# Altium PCB 01156.PcbDoc (part 2 of 3)
Units mm, origin at the board's own origin, x right, y up, seen from the top; angles counter-clockwise.
Board outline 60 x 50 mm, 4 copper layers (Top Layer, Signal Layer 1, Signal Layer 2, Bottom Layer), stack 1.57 mm thick; 178 components, 105 nets, 534 pads, 248 vias.
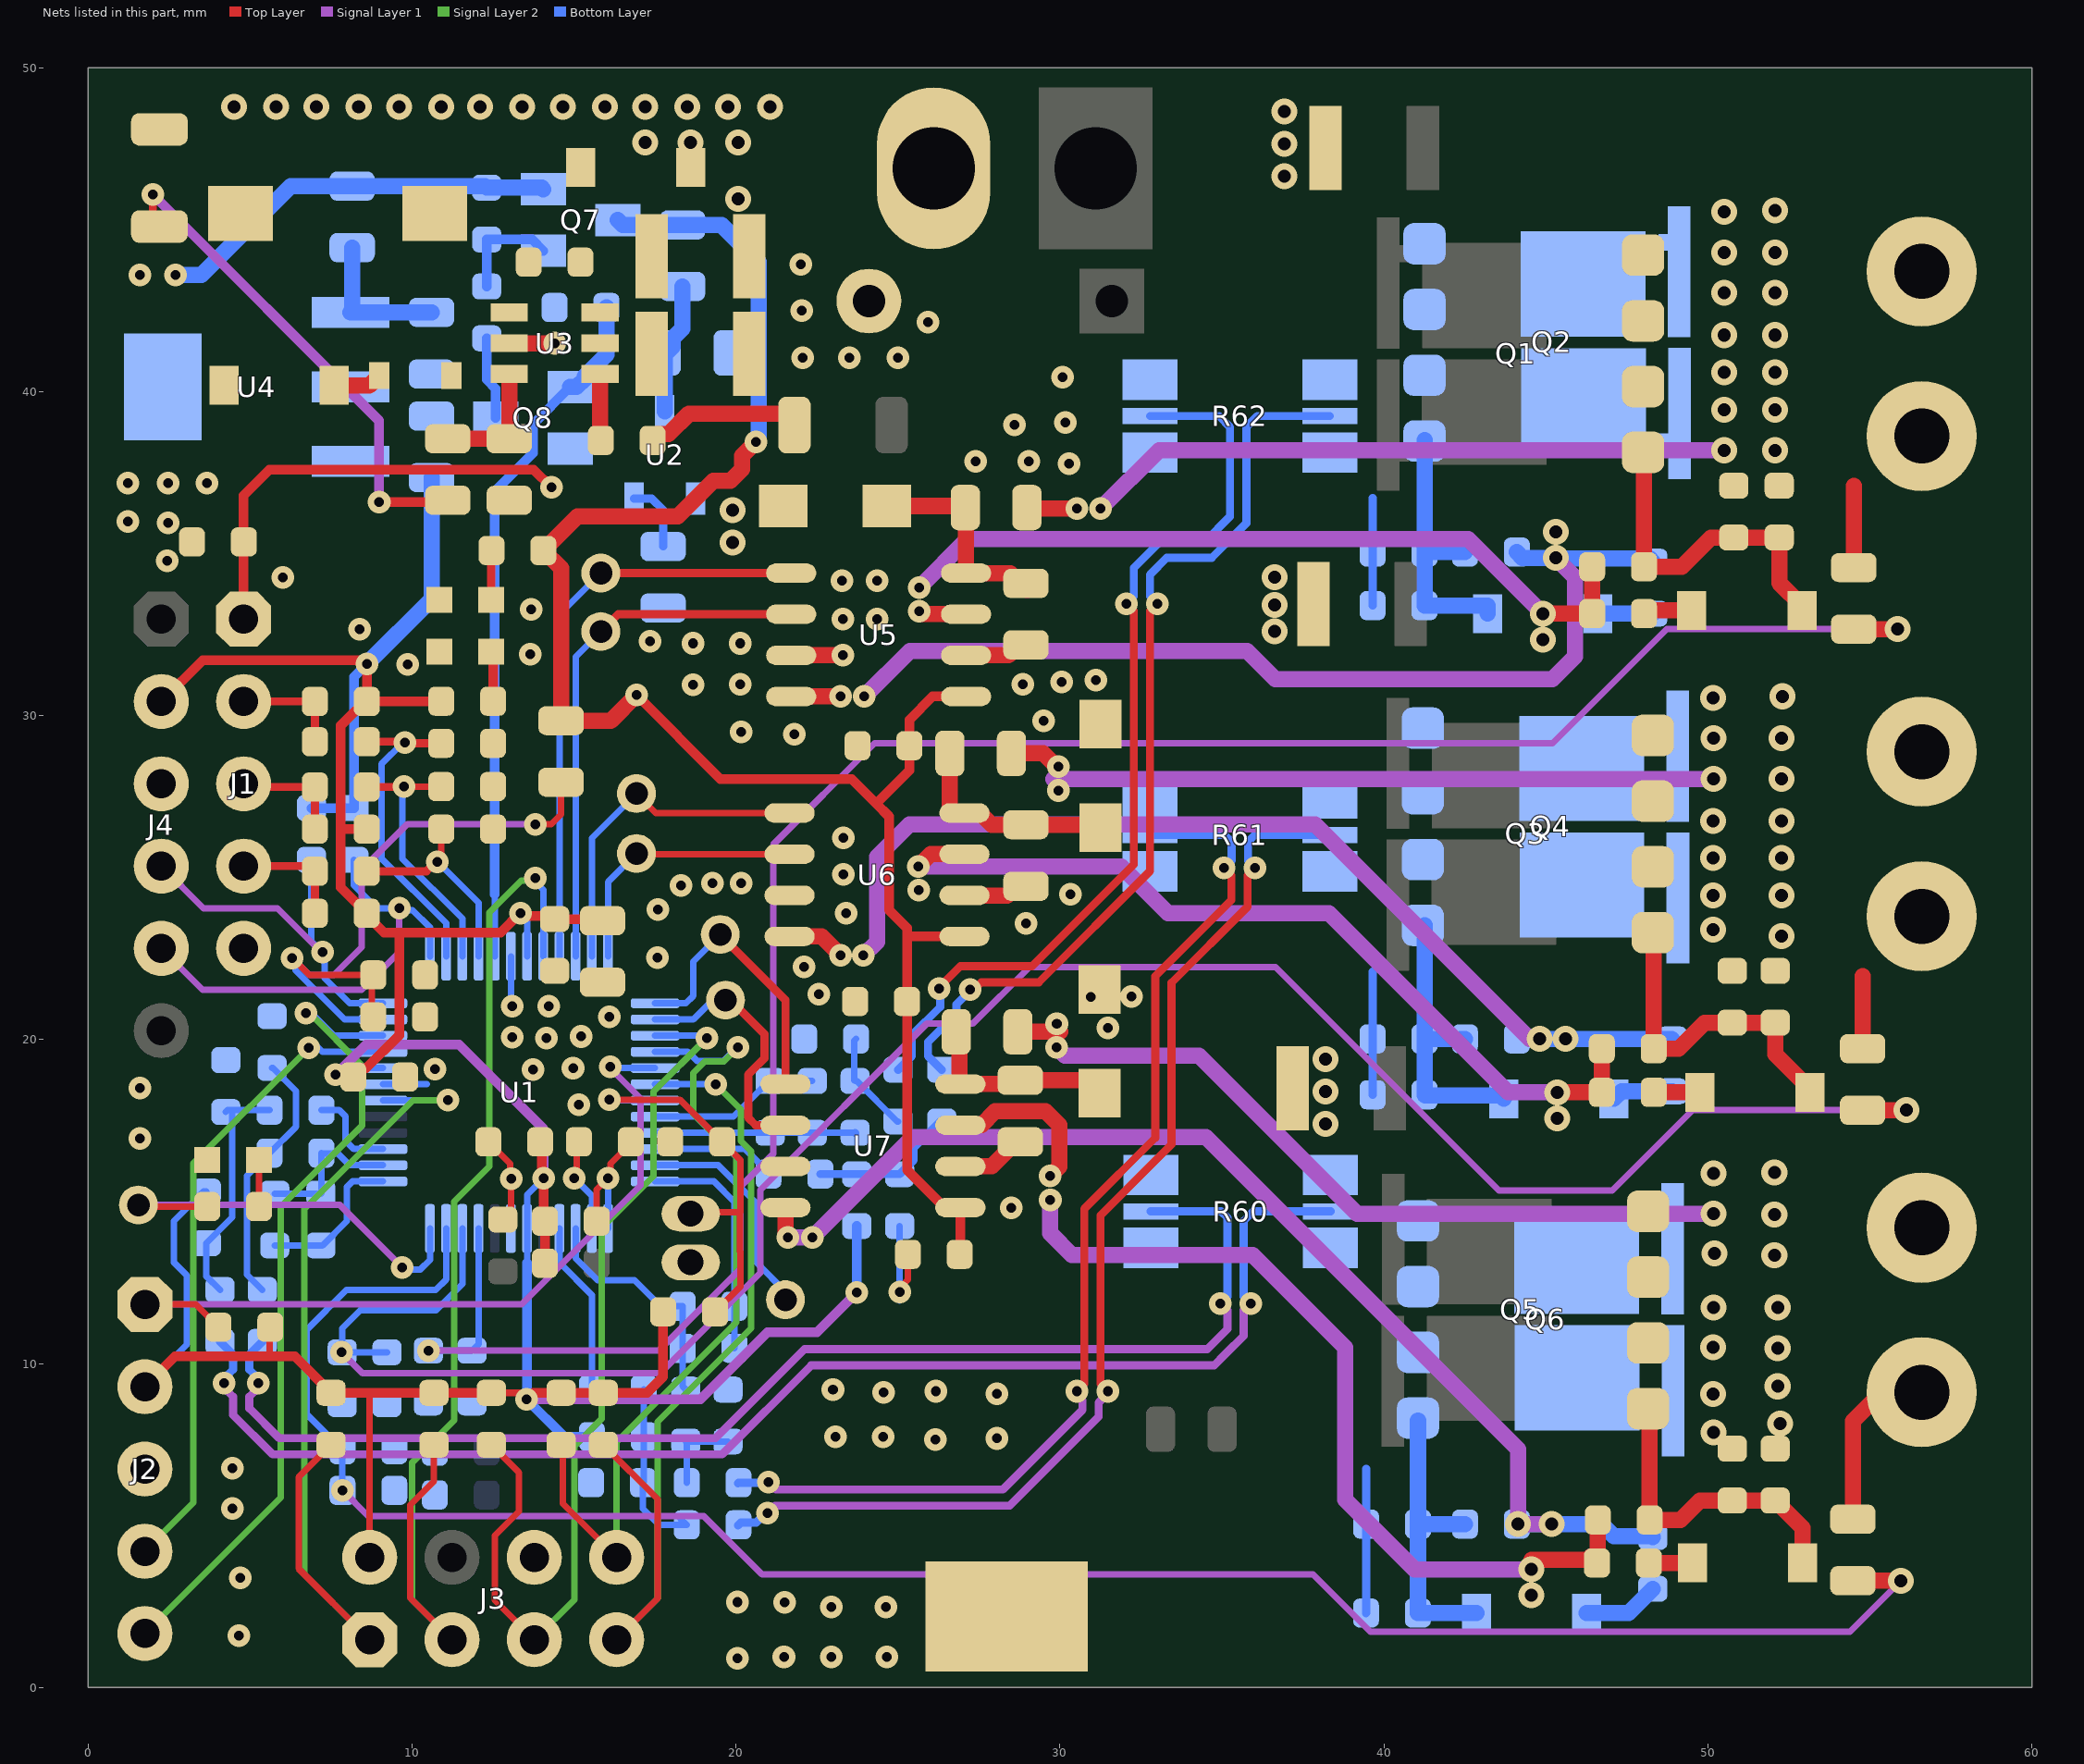
[diagram p4: the nets of this part, all layers, seen from the top]

## Part data (continued)
R29 R30 R31 R52 R57 R58: library part RSMT0713, Current=1A, Manufacturer 1=Digi-Key, Manufacturer 2=ROHM, Manufacturer 3="Stackpole Electronics Inc", Manufacturer Part Number 1=311-4.70KHRTR-ND, Manufacturer Part Number 2=MCR03EZPFX4701, Manufacturer Part Number 3=RMCF0603FT4K70, Operating Temperature="-55C to +155C", Package=0603, Power=1/10W, Temperature Coeffcient=100ppm/C, Tolerance=1%, Voltage=50V, Category=Resistor, ComponentLink1Description="SVN Datasheet", ComponentLink1URL=https://chn-vm-apps.microchip.com/mchprepo/parts/Datasheets/SEI-RMCF_RMCP.pdf, ComponentLink2Description="Local Datasheet", ComponentLink2URL=C:\ALTIUM_WORK\00001_MCHP-CDB\Datasheets\SEI-RMCF_RMCP.pdf, ComponentLink3Description="Open Symbol", ComponentLink3URL=C:\ALTIUM_WORK\00001_MCHP-CDB\Library\LibraryRefs\Resistor.SchLib, ComponentLink4Description="Open Footprint", ComponentLink4URL=C:\ALTIUM_WORK\00001_MCHP-CDB\Library\Footprints\RES_C_0603.PcbLib, ComponentLink5Description="Open Footprint 2", ComponentLink6Description="Open Footprint 3", ComponentLink7Description="Open Footprint 4", Composition=TKF, Description_="RES TKF 4.7k 1% 1/10W SMD 0603", Dev Tools Status=Production, MCHP-ID=RSMT0713, Populated=Yes, Quantity Override=1, Revision=2, Status="MCL Design", Supplier 1=Digi-Key, Supplier 2=Digi-Key, Supplier 3=Digi-Key, Supplier Part Number 1=311-4.70KHRTR-ND, Supplier Part Number 2=RHM4.70KHCT-ND, Supplier Part Number 3=RMCF0603FT4K70CT-ND, Symbol=Resistor, Type="RES SMD"
R32: library part RSMT0003, Current=2A, Manufacturer 1=Yageo, Manufacturer 2=Panasonic, Manufacturer 3="KOA Speer", Manufacturer 4=Bourns, Manufacturer Part Number 1=RC1206JR-070RL, Manufacturer Part Number 2=ERJ-8GEY0R00V, Manufacturer Part Number 3=RK73Z2BTTD, Manufacturer Part Number 4=CR1206-J/-000ELF, Operating Temperature="-55C to +155C", Package=1206, Supplier Part Number 1=311-0.0ERCT-ND, Category=Resistor, ComponentLink1Description="SVN Datasheet", ComponentLink1URL=https://chn-vm-apps.microchip.com/mchprepo/parts/Datasheets/AOA0000CE1.pdf, ComponentLink2Description="Local Datasheet", ComponentLink2URL=C:\ALTIUM_WORK\00001_MCHP-CDB\Datasheets\AOA0000CE1.pdf, ComponentLink3Description="Open Symbol", ComponentLink3URL=C:\ALTIUM_WORK\00001_MCHP-CDB\Library\LibraryRefs\Resistor.SchLib, ComponentLink4Description="Open Footprint", ComponentLink4URL=C:\ALTIUM_WORK\00001_MCHP-CDB\Library\Footprints\RES_C_1206.PcbLib, ComponentLink5Description="Open Footprint 2", ComponentLink6Description="Open Footprint 3", ComponentLink7Description="Open Footprint 4", Composition=TKF, Description_="RES TKF 0R SMD 1206", Dev Tools Status=Production, MCHP-ID=RSMT0003, Populated=Yes, Quantity Override=1, Revision=1, Status="MCL Design", Supplier 1=Digi-Key, Supplier 2=Digi-Key, Supplier 3="KOA Speer", Supplier 4=Mouser, Supplier Part Number 2=P0.0ETR-ND, Supplier Part Number 3=RK73Z2BTTD, Supplier Part Number 4=652-CR1206-J/-000ELF, Symbol=Resistor, Type="RES SMD"
R33 R34 R35: library part RES1406, Manufacturer 1=Yageo, Manufacturer Part Number 1=RC0603FR-072K4L, Operating Temperature="-55C to +155C", Package=0603, Power=1/10W, Supplier Part Number 1=311-2.40KHRCT-ND, Temperature Coeffcient=100ppm/C, Tolerance=1%, Voltage=75V, Category=Resistor, ComponentLink1Description="SVN Datasheet", ComponentLink1URL=https://chn-vm-apps.microchip.com/mchprepo/parts/Datasheets/PYu-R_INT-thick_7.pdf, ComponentLink2Description="Local Datasheet", ComponentLink2URL=C:\ALTIUM_WORK\00001_MCHP-CDB\Datasheets\PYu-R_INT-thick_7.pdf, ComponentLink3Description="Open Symbol", ComponentLink3URL=C:\ALTIUM_WORK\00001_MCHP-CDB\Library\LibraryRefs\Resistor.SchLib, ComponentLink4Description="Open Footprint", ComponentLink4URL=C:\ALTIUM_WORK\00001_MCHP-CDB\Library\Footprints\RES_C_0603.PcbLib, ComponentLink5Description="Open Footprint 2", ComponentLink6Description="Open Footprint 3", ComponentLink7Description="Open Footprint 4", Composition=TKF, Description_="RES TKF 2.4k 1% 1/10W SMD 0603", Dev Tools Status=Production, MCHP-ID=RES1406, Owner="Henry de Villiers", Populated=YES, Quantity Override=1, Revision=1, Status="MCL Design", Supplier 1=Digi-Key, Symbol=Resistor, Type="RES SMD"
R36 R80: library part RSMT0522, Manufacturer 1=Panasonic, Manufacturer Part Number 1=ERJ-6ENF3602V, Operating Temperature="-55C to +155C", Package=0805, Power=1/8W, Supplier Part Number 1=P36.0KCCT-ND, Temperature Coeffcient=100ppm/C, Tolerance=1%, Voltage=150V, Category=Resistor, ComponentLink1Description="SVN Datasheet", ComponentLink1URL=https://chn-vm-apps.microchip.com/mchprepo/parts/Datasheets/AOA0000CE2.pdf, ComponentLink2Description="Local Datasheet", ComponentLink2URL=C:\ALTIUM_WORK\00001_MCHP-CDB\Datasheets\AOA0000CE2.pdf, ComponentLink3Description="Open Symbol", ComponentLink3URL=C:\ALTIUM_WORK\00001_MCHP-CDB\Library\LibraryRefs\Resistor.SchLib, ComponentLink4Description="Open Footprint", ComponentLink4URL=C:\ALTIUM_WORK\00001_MCHP-CDB\Library\Footprints\RES_C_0805.PcbLib, ComponentLink5Description="Open Footprint 2", ComponentLink6Description="Open Footprint 3", ComponentLink7Description="Open Footprint 4", Composition=TKF, Description_="RES TKF 36k 1% 1/8W SMD 0805", Dev Tools Status=Production, MCHP-ID=RSMT0522, Populated=Yes, Quantity Override=1, Revision=1, Status="MCL Design", Supplier 1=Digi-Key, Symbol=Resistor, Type="RES SMD"
R37: library part RES1406, Manufacturer 1=Yageo, Manufacturer Part Number 1=RC0603FR-072K4L, Operating Temperature="-55C to +155C", Package=0603, Power=1/10W, Supplier Part Number 1=311-2.40KHRCT-ND, Temperature Coeffcient=100ppm/C, Tolerance=1%, Category=Resistor, ComponentLink1Description="SVN Datasheet", ComponentLink1URL=https://chn-vm-apps.microchip.com/mchprepo/parts/Datasheets/PYu-R_INT-thick_7.pdf, ComponentLink2Description="Local Datasheet", ComponentLink2URL=C:\ALTIUM_WORK\00001_MCHP-CDB\Datasheets\PYu-R_INT-thick_7.pdf, ComponentLink3Description="Open Symbol", ComponentLink3URL=C:\ALTIUM_WORK\00001_MCHP-CDB\Library\LibraryRefs\Resistor.SchLib, ComponentLink4Description="Open Footprint", ComponentLink4URL=C:\ALTIUM_WORK\00001_MCHP-CDB\Library\Footprints\RES_C_0603.PcbLib, ComponentLink5Description="Open Footprint 2", ComponentLink6Description="Open Footprint 3", ComponentLink7Description="Open Footprint 4", Composition=TKF, Description_="RES TKF 2.4K 1% 1/10W SMD 0603", Dev Tools Status=Production, MCHP-ID=RES1406, Owner="Henry de Villiers", Populated=YES, Quantity Override=1, Revision=1, Status="MCL Design", Supplier 1=Digi-Key, Symbol=Resistor, Type="RES SMD"
R38 R64 R70: library part RES1121, Manufacturer 1=Panasonic, Manufacturer Part Number 1=ERJ-3EKF1302V, Operating Temperature="-55C to +155C", Package=0603, Power=1/10W, Supplier Part Number 1=P13.0KHCT-ND, Temperature Coeffcient=100ppm/C, Tolerance=1%, Voltage=75V, Category=Resistor, ComponentLink1Description="SVN Datasheet", ComponentLink1URL=https://chn-vm-apps.microchip.com/mchprepo/parts/Datasheets/AOA0000CE2.pdf, ComponentLink2Description="Local Datasheet", ComponentLink2URL=C:\ALTIUM_WORK\00001_MCHP-CDB\Datasheets\AOA0000CE2.pdf, ComponentLink3Description="Open Symbol", ComponentLink3URL=C:\ALTIUM_WORK\00001_MCHP-CDB\Library\LibraryRefs\Resistor.SchLib, ComponentLink4Description="Open Footprint", ComponentLink4URL=C:\ALTIUM_WORK\00001_MCHP-CDB\Library\Footprints\RES_C_0603.PcbLib, ComponentLink5Description="Open Footprint 2", ComponentLink6Description="Open Footprint 3", ComponentLink7Description="Open Footprint 4", Composition=TKF, Description_="RES TKF 13k 1% 1/10W SMD 0603", Dev Tools Status=Production, MCHP-ID=RES1121, Owner="Mihai T(M91442)", Populated=Yes, Quantity Override=1, Revision=0, Status="MCL Design", Supplier 1=Digi-Key, Supplier 2=Farnell, Supplier Part Number 2=2059416, Symbol=Resistor, Type="RES SMD"
R39 R41 R65 R67 R71 R73: library part RES1171, Manufacturer 1=Panasonic, Manufacturer Part Number 1=ERJ-3EKF3900V, Operating Temperature="-55C to +155C", Package=0603, Power=1/10W, Supplier Part Number 1=P390HCT-ND, Temperature Coeffcient=100ppm/C, Tolerance=1%, Voltage=75V, Category=Resistor, ComponentLink1Description="SVN Datasheet", ComponentLink1URL=https://chn-vm-apps.microchip.com/mchprepo/parts/Datasheets/AOA0000CE2.pdf, ComponentLink2Description="Local Datasheet", ComponentLink2URL=C:\ALTIUM_WORK\00001_MCHP-CDB\Datasheets\AOA0000CE2.pdf, ComponentLink3Description="Open Symbol", ComponentLink3URL=C:\ALTIUM_WORK\00001_MCHP-CDB\Library\LibraryRefs\Resistor.SchLib, ComponentLink4Description="Open Footprint", ComponentLink4URL=C:\ALTIUM_WORK\00001_MCHP-CDB\Library\Footprints\RES_C_0603.PcbLib, ComponentLink5Description="Open Footprint 2", ComponentLink6Description="Open Footprint 3", ComponentLink7Description="Open Footprint 4", Composition=TKF, Description_="RES TKF 390R 1% 1/10W SMD 0603", Dev Tools Status=Production, MCHP-ID=RES1171, Owner="Bogdan P (M91398)", Populated=Yes, Quantity Override=1, Revision=0, Status="MCL Design", Supplier 1=Digi-Key, Symbol=Resistor, Type="RES SMD"
R40 R45: library part RES1133, Manufacturer 1=MULTICOMP, Manufacturer Part Number 1="MC 0.063W 0603 1% 2K61", Operating Temperature="-55C to +155C", Package=0603, Power=1/16W, Supplier Part Number 1=1170828, Temperature Coeffcient=100ppm/C, Tolerance=1%, Voltage=50V, Category=Resistor, ComponentLink1Description="SVN Datasheet", ComponentLink1URL=https://chn-vm-apps.microchip.com/mchprepo/parts/Datasheets/1636795.pdf, ComponentLink2Description="Local Datasheet", ComponentLink2URL=C:\ALTIUM_WORK\00001_MCHP-CDB\Datasheets\1636795.pdf, ComponentLink3Description="Open Symbol", ComponentLink3URL=C:\ALTIUM_WORK\00001_MCHP-CDB\Library\LibraryRefs\Resistor.SchLib, ComponentLink4Description="Open Footprint", ComponentLink4URL=C:\ALTIUM_WORK\00001_MCHP-CDB\Library\Footprints\RES_C_0603.PcbLib, ComponentLink5Description="Open Footprint 2", ComponentLink6Description="Open Footprint 3", ComponentLink7Description="Open Footprint 4", Composition=TKF, Description_="RES TKF 2.61k 1% 1/16W SMD 0603", Dev Tools Status=Production, MCHP-ID=RES1133, Owner="Mihai T(M91442)", Populated=Yes, Quantity Override=1, Revision=0, Status="MCL Design", Supplier 1=Farnell, Symbol=Resistor, Type="RES SMD"
R42 R53 R66 R68 R72 R74: library part RSMT0294, Manufacturer 1="Vishay Dale", Manufacturer 2=ROHM, Manufacturer 3=Yageo, Manufacturer Part Number 1=CRCW0603510RFKEA, Manufacturer Part Number 2=MCR03EZPFX5100, Manufacturer Part Number 3=9C06031A5100FKHFT, Manufacturer Part Number 4=9C06031A5100FKPFT, Operating Temperature="-55C to +155C", Package=0603, Power=1/10W, Supplier Part Number 1=541-510HCT-ND, Temperature Coeffcient=100ppm/C, Tolerance=1%, Voltage=50V, Category=Resistor, ComponentLink1Description="SVN Datasheet", ComponentLink1URL=https://chn-vm-apps.microchip.com/mchprepo/parts/Datasheets/PYu-RC0603_51_RoHS_L_4.pdf, ComponentLink2Description="Local Datasheet", ComponentLink2URL=C:\ALTIUM_WORK\00001_MCHP-CDB\Datasheets\PYu-RC0603_51_RoHS_L_4.pdf, ComponentLink3Description="Open Symbol", ComponentLink3URL=C:\ALTIUM_WORK\00001_MCHP-CDB\Library\LibraryRefs\Resistor.SchLib, ComponentLink4Description="Open Footprint", ComponentLink4URL=C:\ALTIUM_WORK\00001_MCHP-CDB\Library\Footprints\RES_C_0603.PcbLib, ComponentLink5Description="Open Footprint 2", ComponentLink6Description="Open Footprint 3", ComponentLink7Description="Open Footprint 4", Composition=TKF, Description_="RES TKF 510R 1% 1/10W SMD 0603", Dev Tools Status=Production, Manufacturer 4=Yageo, MCHP-ID=RSMT0294, Populated=Yes, Quantity Override=1, Revision=1, Status="MCL Design", Supplier 1=Digi-Key, Supplier 2=Digi-Key, Supplier 3=Digi-Key, Supplier 4=Yageo, Supplier Part Number 2=RHM510HCT-ND, Supplier Part Number 3=311-510HTR-ND, Supplier Part Number 4=9C06031A5100FKPFT, Symbol=Resistor, Type="RES SMD"
R43 R63 R69: library part RSMT0550, Manufacturer 1=Panasonic, Manufacturer Part Number 1=ERJ-3EKF1102V, Operating Temperature="-55C to +155C", Package=0603, Power=1/10W, Supplier Part Number 1=P11.0KHCT-ND, Temperature Coeffcient=100ppm/C, Tolerance=1%, Voltage=75V, Category=Resistor, ComponentLink1Description="SVN Datasheet", ComponentLink1URL=https://chn-vm-apps.microchip.com/mchprepo/parts/Datasheets/AOA0000CE2.pdf, ComponentLink2Description="Local Datasheet", ComponentLink2URL=C:\ALTIUM_WORK\00001_MCHP-CDB\Datasheets\AOA0000CE2.pdf, ComponentLink3Description="Open Symbol", ComponentLink3URL=C:\ALTIUM_WORK\00001_MCHP-CDB\Library\LibraryRefs\Resistor.SchLib, ComponentLink4Description="Open Footprint", ComponentLink4URL=C:\ALTIUM_WORK\00001_MCHP-CDB\Library\Footprints\RES_C_0603.PcbLib, ComponentLink5Description="Open Footprint 2", ComponentLink6Description="Open Footprint 3", ComponentLink7Description="Open Footprint 4", Composition=TKF, Description_="RES TKF 11k 1% 1/10W SMD 0603", Dev Tools Status=Production, MCHP-ID=RSMT0550, Populated=Yes, Quantity Override=1, Revision=1, Status="MCL Design", Supplier 1=Digi-Key, Symbol=Resistor, Type="RES SMD"
R44 R77 R78 R79 R83: library part RSMT0139, Manufacturer 1=Panasonic, Manufacturer 2="Stackpole Electronics Inc", Manufacturer 4=Yageo, Manufacturer 5=Xicon, Manufacturer 6="NIC Components", Manufacturer Part Number 1=ERJ-3EKF1002V, Manufacturer Part Number 2=RMCF0603FT10K0, Manufacturer Part Number 3="RMCF 1/16 10K 1% R", Manufacturer Part Number 4=RC0603FR-0710KL, Manufacturer Part Number 5=302-10K-RC, Manufacturer Part Number 6=NRC06F1002TRF, Operating Temperature="-55C to +155C", Package=0603, Power=1/10W, Supplier Part Number 1=P10.0KHCT-ND, Temperature Coeffcient=100ppm/C, Tolerance=1%, Category=Resistor, ComponentLink1Description="SVN Datasheet", ComponentLink1URL=https://chn-vm-apps.microchip.com/mchprepo/parts/Datasheets/nrc.pdf, ComponentLink2Description="Local Datasheet", ComponentLink2URL=C:\ALTIUM_WORK\00001_MCHP-CDB\Datasheets\nrc.pdf, ComponentLink3Description="Open Symbol", ComponentLink3URL=C:\ALTIUM_WORK\00001_MCHP-CDB\Library\LibraryRefs\Resistor.SchLib, ComponentLink4Description="Open Footprint", ComponentLink4URL=C:\ALTIUM_WORK\00001_MCHP-CDB\Library\Footprints\RES_C_0603.PcbLib, ComponentLink5Description="Open Footprint 2", ComponentLink6Description="Open Footprint 3", ComponentLink7Description="Open Footprint 4", Composition=TKF, Description_="RES TKF 10k 1% 1/10W SMD 0603", Dev Tools Status=Production, Manufacturer 3="Stackpole Electronics Inc", MCHP-ID=RSMT0139, Populated=Yes, Quantity Override=1, Revision=2, Status="MCL Design", Supplier 1=Digi-Key, Supplier 2=Digi-Key, Supplier 3=Digi-Key, Supplier 4=Digi-Key, Supplier 5=Mouser, Supplier 6="NIC Components", Supplier Part Number 2=RMCF1/1610KFRTR-ND, Supplier Part Number 3=RMCF0603FT10K0TR-ND, Supplier Part Number 4=311-10.0KHRCT-ND, Supplier Part Number 5=302-10k-RC, Supplier Part Number 6=NRC06F1002TRF, Symbol=Resistor, Type="RES SMD"
R46 R48 R49 R50 R51 R54: library part RES1130, Manufacturer 1=Panasonic, Manufacturer Part Number 1=ERJ-3EKF2201V, Operating Temperature="-55C to +155C", Package=0603, Power=1/10W, Supplier Part Number 1=P2.20KHCT-ND, Temperature Coeffcient=100ppm/C, Tolerance=1%, Voltage=75V, Category=Resistor, ComponentLink1Description="SVN Datasheet", ComponentLink1URL=https://chn-vm-apps.microchip.com/mchprepo/parts/Datasheets/AOA0000CE2.pdf, ComponentLink2Description="Local Datasheet", ComponentLink2URL=C:\ALTIUM_WORK\00001_MCHP-CDB\Datasheets\AOA0000CE2.pdf, ComponentLink3Description="Open Symbol", ComponentLink3URL=C:\ALTIUM_WORK\00001_MCHP-CDB\Library\LibraryRefs\Resistor.SchLib, ComponentLink4Description="Open Footprint", ComponentLink4URL=C:\ALTIUM_WORK\00001_MCHP-CDB\Library\Footprints\RES_C_0603.PcbLib, ComponentLink5Description="Open Footprint 2", ComponentLink6Description="Open Footprint 3", ComponentLink7Description="Open Footprint 4", Composition=TKF, Description_="RES TKF 2.2k 1% 1/10W SMD 0603", Dev Tools Status=Production, MCHP-ID=RES1130, Owner="Bogdan P (M91398)", Populated=Yes, Quantity Override=1, Revision=0, Status="MCL Design", Supplier 1=Digi-Key, Symbol=Resistor, Type="RES SMD"
R47: library part RSMT0309, Manufacturer 1=Panasonic, Manufacturer 2=Yageo, Manufacturer 4="Stackpole Electronics Inc", Manufacturer Part Number 1=ERJ-3EKF2002V, Manufacturer Part Number 2=9C06031A2002FKHFT, Manufacturer Part Number 3=RC0603FR-0720KL, Manufacturer Part Number 4=RMCF1/1620.0K1%TR, Manufacturer Part Number 5=9C06031A2002FKPFT, Operating Temperature="-55C to +155C", Package=0603, Power=1/10W, Supplier Part Number 1=P20.0KHCT-ND, Temperature Coeffcient=100ppm/C, Tolerance=1%, Voltage=50V, Category=Resistor, ComponentLink1Description="SVN Datasheet", ComponentLink1URL=https://chn-vm-apps.microchip.com/mchprepo/parts/Datasheets/PYu-RC0603_51_RoHS_L_4.pdf, ComponentLink2Description="Local Datasheet", ComponentLink2URL=C:\ALTIUM_WORK\00001_MCHP-CDB\Datasheets\PYu-RC0603_51_RoHS_L_4.pdf, ComponentLink3Description="Open Symbol", ComponentLink3URL=C:\ALTIUM_WORK\00001_MCHP-CDB\Library\LibraryRefs\Resistor.SchLib, ComponentLink4Description="Open Footprint", ComponentLink4URL=C:\ALTIUM_WORK\00001_MCHP-CDB\Library\Footprints\RES_C_0603.PcbLib, ComponentLink5Description="Open Footprint 2", ComponentLink6Description="Open Footprint 3", ComponentLink7Description="Open Footprint 4", Composition=TKF, Description_="RES TKF 20k 1% 1/10W SMD 0603", Dev Tools Status=Production, Manufacturer 3=Yageo, Manufacturer 5=Yageo, MCHP-ID=RSMT0309, Populated=Yes, Quantity Override=1, Revision=1, Status="MCL Design", Supplier 1=Digi-Key, Supplier 2=Digi-Key, Supplier 3=Digi-Key, Supplier 4=Yageo, Supplier 5="Stackpole Electronics Inc", Supplier 6=Yageo, Supplier Part Number 2=311-20.0KHTR-ND, Supplier Part Number 3=311-20.0KHRCT-ND, Supplier Part Number 4=RC0603FR-0720KL, Supplier Part Number 5=RMCF1/1620.0K1%TR, Supplier Part Number 6=9C06031A2002FKPFT, Symbol=Resistor, Type="RES SMD"
R59: library part RES1051, Manufacturer 1=Panasonic, Manufacturer Part Number 1=ERJ-3RQF3R3V, Operating Temperature="-55C to +125C", Package=0603, Power=1/10W, Supplier Part Number 1=P3.3AJCT-ND, Temperature Coeffcient=200ppm/C, Tolerance=1%, Category=Resistor, ComponentLink1Description="SVN Datasheet", ComponentLink1URL=https://chn-vm-apps.microchip.com/mchprepo/parts/Datasheets/AOA0000CE3.pdf, ComponentLink2Description="Local Datasheet", ComponentLink2URL=C:\ALTIUM_WORK\00001_MCHP-CDB\Datasheets\AOA0000CE3.pdf, ComponentLink3Description="Open Symbol", ComponentLink3URL=C:\ALTIUM_WORK\00001_MCHP-CDB\Library\LibraryRefs\Resistor.SchLib, ComponentLink4Description="Open Footprint", ComponentLink4URL=C:\ALTIUM_WORK\00001_MCHP-CDB\Library\Footprints\RES_C_0603.PcbLib, ComponentLink5Description="Open Footprint 2", ComponentLink6Description="Open Footprint 3", ComponentLink7Description="Open Footprint 4", Composition=TKF, Description_="RES TKF 3.3R 1% 1/10W SMD 0603", Dev Tools Status=Production, MCHP-ID=RES1051, Owner="Tad Ahlvers", Populated=YES, Quantity Override=1, Revision=1, Status="MCL Design", Supplier 1=Digi-Key, Symbol=Resistor, Type="RES SMD"
R60 R61 R62: library part RES2539, "Shunt", Manufacturer 1="Vishay Dale", Manufacturer Part Number 1=WSLF25122L000FEA, Operating Temperature="-65C to +170C", Package=2512, Power=5W, Supplier Part Number 1=541-3126-1-ND, Temperature Coeffcient=70ppm/C, Tolerance=1%, Category=Resistor, ComponentLink1Description="SVN Datasheet", ComponentLink1URL=https://chn-vm-apps.microchip.com/mchprepo/parts/Datasheets/wslf.pdf, ComponentLink2Description="Local Datasheet", ComponentLink2URL=C:\ALTIUM_WORK\00001_MCHP-CDB\Datasheets\wslf.pdf, ComponentLink3Description="Open Symbol", ComponentLink3URL="C:\ALTIUM_WORK\00001_MCHP-CDB\Library\LibraryRefs\Shunt 4 Pin.SchLib", ComponentLink4Description="Open Footprint", ComponentLink4URL=C:\ALTIUM_WORK\00001_MCHP-CDB\Library\Footprints\RES_C_2512_SHUNT_Metal.PcbLib, ComponentLink5Description="Open Footprint 2", ComponentLink6Description="Open Footprint 3", ComponentLink7Description="Open Footprint 4", Composition="Metal Element", Description_="RES SHUNT ME 0.002R 1% 5W AEC-Q200 SMD 2512", Dev Tools Status=Design, MCHP-ID=RES2539, Owner="Octavian Stroe", Populated=YES, Quantity Override=1, Revision=B, Status="MCL Design", Supplier 1=Digi-Key, Symbol="Shunt 4 Pin", Type=Shunt
R76: library part RSMT0349, Manufacturer 1=Vishay, Manufacturer 2="Stackpole Electronics Inc", Manufacturer Part Number 1=CRCW06033K30FKEA, Manufacturer Part Number 2=RMCF0603FT3K30, Operating Temperature="-55C to +155C", Package=0603, Power=1/10W, Supplier Part Number 1=CRCW06033K30FKEA/BKN, Temperature Coeffcient=100ppm/C, Tolerance=1%, Voltage=75V, Category=Resistor, ComponentLink1Description="SVN Datasheet", ComponentLink1URL=https://chn-vm-apps.microchip.com/mchprepo/parts/Datasheets/dcrcwe3.pdf, ComponentLink2Description="Local Datasheet", ComponentLink2URL=C:\ALTIUM_WORK\00001_MCHP-CDB\Datasheets\dcrcwe3.pdf, ComponentLink3Description="Open Symbol", ComponentLink3URL=C:\ALTIUM_WORK\00001_MCHP-CDB\Library\LibraryRefs\Resistor.SchLib, ComponentLink4Description="Open Footprint", ComponentLink4URL=C:\ALTIUM_WORK\00001_MCHP-CDB\Library\Footprints\RES_C_0603.PcbLib, ComponentLink5Description="Open Footprint 2", ComponentLink6Description="Open Footprint 3", ComponentLink7Description="Open Footprint 4", Composition=TKF, Description_="RES TKF 3.3k 1% 1/10W SMD 0603", Dev Tools Status=Production, Manufacturer 3=Vishay, Manufacturer 4=Vishay, Manufacturer 5=Vishay, Manufacturer Part Number 3=CRCW06033K30FKEA, Manufacturer Part Number 4=CRCW06033K30FKEA, Manufacturer Part Number 5=CRCW06033K30FKEA, MCHP-ID=RSMT0349, Populated=Yes, Quantity Override=1, Revision=2, Status="MCL Design", Supplier 1=Avnet, Supplier 2=Digi-Key, Supplier 3=Digi-Key, Supplier 4=Mouser, Supplier 5=Newark, Supplier Part Number 2=RMCF0603FT3K30CT-ND, Supplier Part Number 3=541-3.30KHTR-ND, Supplier Part Number 4=71-CRCW0603-3.3K-E3, Supplier Part Number 5=52K8376, Symbol=Resistor, Type="RES SMD"
R81: library part RSMT0465, Manufacturer 1=Panasonic, Manufacturer 2=ROHM, Manufacturer 3=Vishay, Manufacturer 4=Yageo, Manufacturer Part Number 1=ERJ-3EKF7501V, Manufacturer Part Number 2=MCR03EZPFX7501, Manufacturer Part Number 3=CRCW06037K50FKEA, Manufacturer Part Number 4=RC0603FR-077K5L, Operating Temperature="-55C to +155C", Package=0603, Power=1/10W, Supplier Part Number 1=P7.50KHCT-ND, Temperature Coeffcient=100ppm/C, Tolerance=1%, Voltage=75V, Category=Resistor, ComponentLink1Description="SVN Datasheet", ComponentLink1URL=https://chn-vm-apps.microchip.com/mchprepo/parts/Datasheets/AOA0000CE2.pdf, ComponentLink2Description="Local Datasheet", ComponentLink2URL=C:\ALTIUM_WORK\00001_MCHP-CDB\Datasheets\AOA0000CE2.pdf, ComponentLink3Description="Open Symbol", ComponentLink3URL=C:\ALTIUM_WORK\00001_MCHP-CDB\Library\LibraryRefs\Resistor.SchLib, ComponentLink4Description="Open Footprint", ComponentLink4URL=C:\ALTIUM_WORK\00001_MCHP-CDB\Library\Footprints\RES_C_0603.PcbLib, ComponentLink5Description="Open Footprint 2", ComponentLink6Description="Open Footprint 3", ComponentLink7Description="Open Footprint 4", Composition=TKF, Description_="RES TKF 7.5k 1% 1/10W SMD 0603", Dev Tools Status=Production, MCHP-ID=RSMT0465, Populated=Yes, Quantity Override=1, Revision=1, Status="MCL Design", Supplier 1=Digi-Key, Supplier 2=Digi-Key, Supplier 3=Digi-Key, Supplier 4=Digi-Key, Supplier Part Number 2=RHM7.50KHCT-ND, Supplier Part Number 3=541-7.50KHCT-ND, Supplier Part Number 4=311-7.50KHRCT-ND, Symbol=Resistor, Type="RES SMD"
R82: library part RSMT1022, Current=1A, Manufacturer 1="Stackpole Electronics Inc", Manufacturer Part Number 1=RMCF0603FT1K20, Operating Temperature="-55C to +155C", Package=0603, Power=1/10W, Supplier Part Number 1=RMCF0603FT1K20CT-ND, Temperature Coeffcient=100ppm/C, Tolerance=1%, Voltage=50V, Category=Resistor, ComponentLink1Description="SVN Datasheet", ComponentLink1URL=https://chn-vm-apps.microchip.com/mchprepo/parts/Datasheets/SEI-RMCF_RMCP.pdf, ComponentLink2Description="Local Datasheet", ComponentLink2URL=C:\ALTIUM_WORK\00001_MCHP-CDB\Datasheets\SEI-RMCF_RMCP.pdf, ComponentLink3Description="Open Symbol", ComponentLink3URL=C:\ALTIUM_WORK\00001_MCHP-CDB\Library\LibraryRefs\Resistor.SchLib, ComponentLink4Description="Open Footprint", ComponentLink4URL=C:\ALTIUM_WORK\00001_MCHP-CDB\Library\Footprints\RES_C_0603.PcbLib, ComponentLink5Description="Open Footprint 2", ComponentLink6Description="Open Footprint 3", ComponentLink7Description="Open Footprint 4", Composition=TKF, Description_="RES TKF 1.2k 1% 1/10W SMD 0603", Dev Tools Status=Production, MCHP-ID=RSMT1022, Owner="Aaron VanDuerm", Populated=Yes, Quantity Override=1, Revision=1, Status="MCL Design", Supplier 1=Digi-Key, Symbol=Resistor, Type="RES SMD"
TH1: library part RES2734, Manufacturer 1="EPCOS - TDK Electronics", Manufacturer Part Number 1=B57861S0103F040, Operating Temperature="-55C to +155C", Package=P2.54, Power=60mW, Supplier Part Number 1=495-2142-ND, Tolerance=1%, Category=Resistor, ComponentLink1Description="SVN Datasheet", ComponentLink1URL=https://chn-vm-apps.microchip.com/mchprepo/parts/Datasheets/NTC_Mini_sensors_S861.pdf, ComponentLink2Description="Local Datasheet", ComponentLink2URL=C:\ALTIUM_WORK\00001_MCHP-CDB\Datasheets\NTC_Mini_sensors_S861.pdf, ComponentLink3Description="Open Symbol", ComponentLink3URL="C:\ALTIUM_WORK\00001_MCHP-CDB\Library\LibraryRefs\Thermistor NTC.SchLib", ComponentLink4Description="Open Footprint", ComponentLink4URL=C:\ALTIUM_WORK\00001_MCHP-CDB\Library\Footprints\Thermistor_Wired_P2.54.PcbLib, ComponentLink5Description="Open Footprint 2", ComponentLink6Description="Open Footprint 3", ComponentLink7Description="Open Footprint 4", ComponentLink7URL=C:\ALTIUM_WORK\00001_MCHP-CDB\Library\Footprints\Thermistor_Wired_P1.5.PcbLib, Description_="RES THERMISTOR NTC RADIAL 10k TH P2.54mm 3988K BEAD", Dev Tools Status=Design, MCHP-ID=RES2734, Owner="Octavian Stroe", Populated=YES, Quantity Override=1, Revision=2, Status="MCL Design", Supplier 1=Digi-Key, Symbol="Thermistor NTC", Type=Thermistor
TP11: library part CON1747, "Test Point", Category=Connector, ComponentLink1Description="SVN Datasheet", ComponentLink2Description="Local Datasheet", ComponentLink3Description="Open Symbol", ComponentLink3URL="C:\ALTIUM_WORK\00001_MCHP-CDB\Library\LibraryRefs\Test Point No BOM.SchLib", ComponentLink4Description="Open Footprint", ComponentLink4URL=C:\ALTIUM_WORK\00001_MCHP-CDB\Library\Footprints\TP_3.4x5_SMD_NOBOM.PcbLib, ComponentLink5Description="Open Footprint 2", ComponentLink6Description="Open Footprint 3", ComponentLink7Description="Open Footprint 4", Description_="CON TP PAD PCB 3.4x5 SMD", Dev Tools Status=Design, MCHP-ID=CON1747, Owner="Gabor Bihari", Populated=YES, Quantity Override=1, Revision=A, Status="MCL Design", Symbol="Test Point No BOM", Type="Test Point"